# KiCad board B1_panel.kicad_pcb (continued)
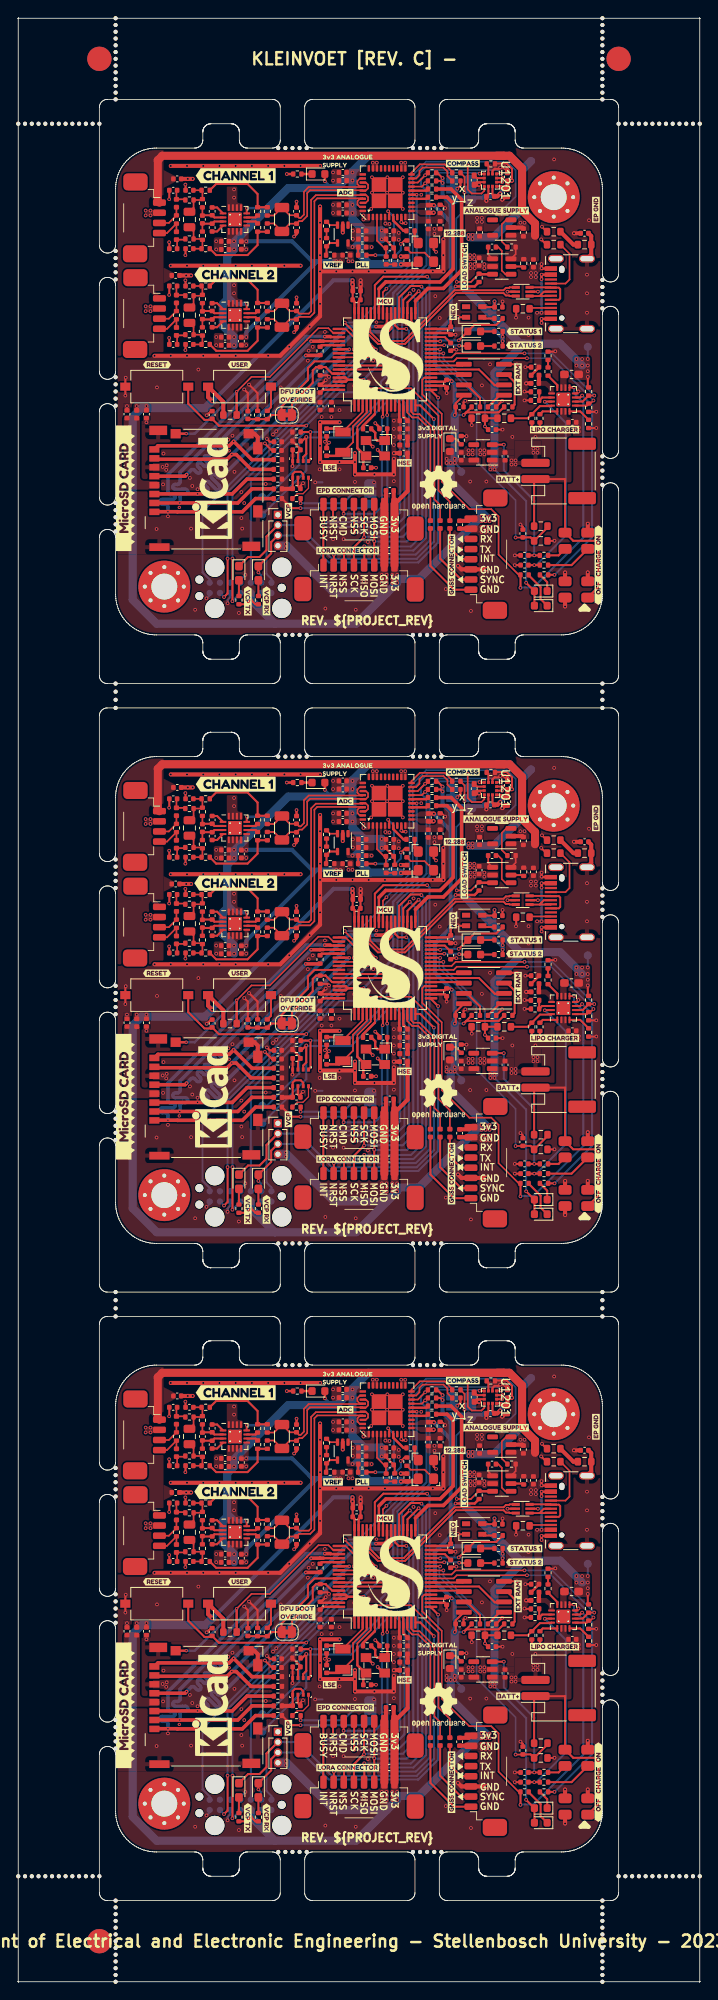
[diagram p0: board, top side]
## Placement (name value [footprint] x y rotation side) (continued)
REF**#95  -  [NPTH]  48.65 91 0 top
REF**#96  -  [NPTH]  4.17 13 0 top
REF**#97  -  [NPTH]  12 120.12 0 top
REF**#98  -  [NPTH]  12 237 0 top
REF**#99  -  [NPTH]  12 7.5 0 top
REF**#100  -  [NPTH]  72 36.25 0 top
REF**#101  -  [NPTH]  72 111.25 0 top
REF**#102  -  [NPTH]  72 242 0 top
REF**#103  -  [NPTH]  12 240.33 0 top
REF**#104  -  [NPTH]  12 46 0 top
REF**#105  -  [NPTH]  12 197.75 0 top
REF**#106  -  [KiCad-Logo_5mm_SilkScreen]  24.4 34.1 90 top
REF**#107  -  [NPTH]  72 187.13 0 top
REF**#108  -  [NPTH]  51.28 151 0 top
REF**#109  -  [NPTH]  12 236.17 0 top
REF**#110  -  [NPTH]  76.5 229 0 top
REF**#111  -  [NPTH]  52.15 76 0 top
REF**#112  -  [NPTH]  82.33 229 0 top
REF**#113  -  [NPTH]  32.05 226 0 top
REF**#114  -  [NPTH]  49.52 76 0 top
REF**#115  -  [NPTH]  6.67 13 0 top
REF**#116  -  [NPTH]  12 180.5 0 top
REF**#117  -  [NPTH]  12 242 0 top
REF**#118  -  [NPTH]  10 13 0 top
REF**#119  -  [NPTH]  12 106.38 0 top
REF**#120  -  [NPTH]  12 3.33 0 top
REF**#121  -  [NPTH]  12 238.67 0 top
REF**#122  -  [NPTH]  12 135.69 0 top
REF**#123  -  [NPTH]  48.65 151 0 top
REF**#124  -  [NPTH]  12 32.25 0 top
REF**#125  -  [NPTH]  12 160 0 top
REF**#126  -  [NPTH]  12 159 0 top
REF**#127  -  [NPTH]  32.05 16 0 top
REF**#128  -  [NPTH]  32.05 76 0 top
REF**#129  -  [NPTH]  12 137.44 0 top
REF**#130  -  [NPTH]  48.65 76 0 top
REF**#131  -  [NPTH]  9.17 13 0 top
REF**#132  -  [NPTH]  48.65 166 0 top
REF**#133  -  [NPTH]  2.5 229 0 top
REF**#134  -  [NPTH]  1.67 229 0 top
REF**#135  -  [NPTH]  8.33 13 0 top
REF**#136  -  [NPTH]  12 121.88 0 top
REF**#137  -  [NPTH]  72 207.12 0 top
REF**#138  -  [NPTH]  5 13 0 top
REF**#139  -  [NPTH]  72 84 0 top
REF**#140  -  [NPTH]  50.4 91 0 top
REF**#141  -  [NPTH]  35.55 91 0 top
REF**#142  -  [NPTH]  79.83 229 0 top
REF**#143  -  [NPTH]  3.33 229 0 top
REF**#144  -  [NPTH]  72 160 0 top
REF**#145  -  [NPTH]  72 58.88 0 top
REF**#146  -  [NPTH]  12 212.44 0 top
REF**#147  -  [NPTH]  12 59.81 0 top
REF**#148  -  [NPTH]  48.65 226 0 top
REF**#149  -  [NPTH]  12 6.67 0 top
REF**#150  -  [NPTH]  52.15 226 0 top
REF**#151  -  [NPTH]  12 178.75 0 top
REF**#152  -  [NPTH]  72 3.33 0 top
REF**#153  -  [NPTH]  72 134.75 0 top
REF**#154  -  [NPTH]  74 229 0 top
REF**#155  -  [NPTH]  0.83 13 0 top
REF**#156  -  [NPTH]  35.55 16 0 top
REF**#157  -  [NPTH]  12 44.25 0 top
REF**#158  -  [NPTH]  72 4.17 0 top
REF**#159  -  [NPTH]  12 1.67 0 top
REF**#160  -  [NPTH]  12 28.75 0 top
REF**#161  -  [NPTH]  80.67 229 0 top
REF**#162  -  [NPTH]  34.68 16 0 top
REF**#163  -  [NPTH]  12 0.83 0 top
REF**#164  -  [NPTH]  12 158 0 top
REF**#165  -  [NPTH]  8.33 229 0 top
REF**#166  -  [NPTH]  32.92 226 0 top
REF**#167  -  [NPTH]  72 133.88 0 top
REF**#168  -  [NPTH]  12 31.38 0 top
REF**#169  -  [NPTH]  9.17 229 0 top
REF**#170  -  [NPTH]  12 237.83 0 top
REF**#171  -  [NPTH]  72 6.67 0 top
REF**#172  -  [Fiducial]  10 5 0 top
REF**#173  -  [NPTH]  72 208 0 top
REF**#174  -  [NPTH]  12 209.81 0 top
REF**#175  -  [NPTH]  32.92 91 0 top
REF**#176  -  [NPTH]  12 233.67 0 top
REF**#177  -  [NPTH]  7.5 229 0 top
REF**#178  -  [NPTH]  34.68 91 0 top
REF**#179  -  [NPTH]  72 59.75 0 top
REF**#180  -  [NPTH]  12 181.38 0 top
REF**#181  -  [NPTH]  84 229 0 top
REF**#182  -  [NPTH]  81.5 229 0 top
REF**#183  -  [NPTH]  33.8 166 0 top
REF**#184  -  [NPTH]  72 157 0 top
REF**#185  -  [NPTH]  32.92 166 0 top
REF**#186  -  [NPTH]  72 82 0 top
REF**#187  -  [NPTH]  72 10 0 top
REF**#188  -  [NPTH]  12 8.33 0 top
REF**#189  -  [NPTH]  77.33 13 0 top
REF**#190  -  [NPTH]  72 113 0 top
REF**#191  -  [NPTH]  72 133 0 top
REF**#192  -  [NPTH]  12 84 0 top
REF**#193  -  [NPTH]  51.28 76 0 top
REF**#194  -  [NPTH]  52.15 151 0 top
REF**#195  -  [NPTH]  72 232 0 top
REF**#196  -  [NPTH]  12 104.62 0 top
REF**#197  -  [NPTH]  49.52 16 0 top
REF**#198  -  [NPTH]  79 229 0 top
REF**#199  -  [NPTH]  12 195.12 0 top
REF**#200  -  [NPTH]  12 4.17 0 top
REF**#201  -  [NPTH]  72 234.5 0 top
REF**#202  -  [NPTH]  52.15 16 0 top
REF**#203  -  [NPTH]  72 241.17 0 top
REF**#204  -  [NPTH]  2.5 13 0 top
REF**#205  -  [NPTH]  72 184.5 0 top
REF**#206  -  [NPTH]  12 5 0 top
REF**#207  -  [NPTH]  12 30.5 0 top
REF**#208  -  [NPTH]  12 121 0 top
REF**#209  -  [NPTH]  80.67 13 0 top
REF**#210  -  [NPTH]  48.65 16 0 top
REF**#211  -  [KiCad-Logo_5mm_SilkScreen]  24.4 109.1 90 top
REF**#212  -  [NPTH]  12 136.56 0 top
REF**#213  -  [NPTH]  72 131.25 0 top
REF**#214  -  [NPTH]  72 235.33 0 top
REF**#215  -  [NPTH]  12 235.33 0 top
REF**#216  -  [NPTH]  72 37.13 0 top
REF**#217  -  [NPTH]  12 211.56 0 top
REF**#218  -  [NPTH]  12 103.75 0 top
REF**#219  -  [NPTH]  7.5 13 0 top
REF**#220  -  [NPTH]  74 13 0 top
REF**#221  -  [NPTH]  12 105.5 0 top
REF**#222  -  [NPTH]  72 209.75 0 top
REF**#223  -  [NPTH]  5.83 13 0 top
REF**#224  -  [NPTH]  10 229 0 top
REF**#225  -  [NPTH]  12 196 0 top
REF**#226  -  [NPTH]  72 0.83 0 top
REF**#227  -  [NPTH]  52.15 91 0 top
REF**#228  -  [KiCad-Logo_5mm_SilkScreen]  24.4 184.1 90 top
REF**#229  -  [NPTH]  77.33 229 0 top
REF**#230  -  [NPTH]  52.15 166 0 top
REF**#231  -  [NPTH]  50.4 166 0 top
REF**#232  -  [NPTH]  12 62.44 0 top
REF**#233  -  [NPTH]  82.33 13 0 top
REF**#234  -  [NPTH]  81.5 13 0 top
REF**#235  -  [NPTH]  51.28 16 0 top
REF**#236  -  [NPTH]  12 0 0 top
REF**#237  -  [NPTH]  33.8 16 0 top
REF**#238  -  [NPTH]  49.52 91 0 top
REF**#239  -  [NPTH]  33.8 151 0 top
REF**#240  -  [NPTH]  51.28 226 0 top
REF**#241  -  [NPTH]  12 134.81 0 top
REF**#242  -  [NPTH]  83.17 229 0 top
REF**#243  -  [NPTH]  75.67 229 0 top
REF**#244  -  [NPTH]  12 9.17 0 top
REF**#245  -  [NPTH]  12 46.88 0 top
REF**#246  -  [NPTH]  72 236.17 0 top
REF**#247  -  [NPTH]  72 85 0 top
REF**#248  -  [NPTH]  32.05 166 0 top
REF**#249  -  [Fiducial]  74 237 0 top
REF**#250  -  [NPTH]  12 85 0 top
REF**#251  -  [NPTH]  72 110.37 0 top
REF**#252  -  [NPTH]  0 229 0 top
REF**#253  -  [NPTH]  72 208.88 0 top
REF**#254  -  [NPTH]  32.05 151 0 top
REF**#255  -  [NPTH]  72 57.12 0 top
REF**#256  -  [NPTH]  76.5 13 0 top
REF**#257  -  [NPTH]  78.17 229 0 top
REF**#258  -  [NPTH]  12 47.75 0 top
REF**#259  -  [NPTH]  51.28 91 0 top
REF**#260  -  [NPTH]  34.68 226 0 top
REF**#261  -  [NPTH]  12 182.25 0 top
REF**#262  -  [Fiducial]  10 237 0 bottom
REF**#263  -  [Fiducial]  74 237 0 bottom
REF**#264  -  [Fiducial]  10 5 0 bottom
SW101  RESET  [SW_Tactile_SPST_NO_Straight_CK_PTS636Sx25SMTRLFS]  17.07 46.6 180 top
SW101#2  RESET  [SW_Tactile_SPST_NO_Straight_CK_PTS636Sx25SMTRLFS]  17.07 196.6 180 top
SW101#3  RESET  [SW_Tactile_SPST_NO_Straight_CK_PTS636Sx25SMTRLFS]  17.07 121.6 180 top
SW102  USER  [SW_Tactile_SPST_NO_Straight_CK_PTS636Sx25SMTRLFS]  27.28 121.6 0 top
SW102#2  USER  [SW_Tactile_SPST_NO_Straight_CK_PTS636Sx25SMTRLFS]  27.28 196.6 0 top
SW102#3  USER  [SW_Tactile_SPST_NO_Straight_CK_PTS636Sx25SMTRLFS]  27.28 46.6 0 top
SW901  DP3T  [SW_DP3T_Nidec-Cobal_CL-SB-23A]  68.8 24.6 90 top
SW901#2  DP3T  [SW_DP3T_Nidec-Cobal_CL-SB-23A]  68.8 174.6 90 top
SW901#3  DP3T  [SW_DP3T_Nidec-Cobal_CL-SB-23A]  68.8 99.6 90 top
TP406  SDA  [TestPoint_Pad_D1.0mm]  30.07 105.82 0 bottom
TP406#2  SDA  [TestPoint_Pad_D1.0mm]  30.07 180.82 0 bottom
TP406#3  SDA  [TestPoint_Pad_D1.0mm]  30.07 30.82 0 bottom
TP407  SCL  [TestPoint_Pad_D1.0mm]  30.07 32.97 0 bottom
TP407#2  SCL  [TestPoint_Pad_D1.0mm]  30.07 182.97 0 bottom
TP407#3  SCL  [TestPoint_Pad_D1.0mm]  30.07 107.97 0 bottom
TP902  V_OUT  [TestPoint_Pad_D1.0mm]  70.2 126.5 180 bottom
TP902#2  V_OUT  [TestPoint_Pad_D1.0mm]  70.2 201.5 180 bottom
TP902#3  V_OUT  [TestPoint_Pad_D1.0mm]  70.2 51.5 180 bottom
TP903  3V3_DIGITAL  [TestPoint_Pad_D1.0mm]  54.6 186.1 180 bottom
TP903#2  3V3_DIGITAL  [TestPoint_Pad_D1.0mm]  54.6 111.1 180 bottom
TP903#3  3V3_DIGITAL  [TestPoint_Pad_D1.0mm]  54.6 36.1 180 bottom
TP904  3v3_ANALOG  [TestPoint_Pad_D1.0mm]  63.2 74.4 180 bottom
TP904#2  3v3_ANALOG  [TestPoint_Pad_D1.0mm]  63.2 149.4 180 bottom
TP904#3  3v3_ANALOG  [TestPoint_Pad_D1.0mm]  63.2 224.4 180 bottom
U101  STM32F446RETx  [LQFP-64_10x10mm_P0.5mm]  45.2 49.96 90 top
U101#2  STM32F446RETx  [LQFP-64_10x10mm_P0.5mm]  45.2 124.96 90 top
U101#3  STM32F446RETx  [LQFP-64_10x10mm_P0.5mm]  45.2 199.96 90 top
U201  USBLC6-2SC6  [SOT-666_Handsoldering]  62.18 58.3 0 top
U201#2  USBLC6-2SC6  [SOT-666_Handsoldering]  62.18 208.3 0 top
U201#3  USBLC6-2SC6  [SOT-666_Handsoldering]  62.18 133.3 0 top
U401  ADAU1978  [LFCSP-WQ-40-1EP_6x6mm_P0.5_CP-40-14]  45.47 70.5 90 top
U401#2  ADAU1978  [LFCSP-WQ-40-1EP_6x6mm_P0.5_CP-40-14]  45.47 220.5 90 top
U401#3  ADAU1978  [LFCSP-WQ-40-1EP_6x6mm_P0.5_CP-40-14]  45.47 145.5 90 top
U402  TLV333  [Texas_R-PDSO-G5_DCK-5]  40 215.4 270 top
U402#2  TLV333  [Texas_R-PDSO-G5_DCK-5]  40 65.4 270 top
U402#3  TLV333  [Texas_R-PDSO-G5_DCK-5]  40 140.4 270 top
U701  THS4551xRGT  [VQFN-16-1EP_3x3mm_P0.5mm_EP1.68x1.68mm_ThermalVias]  26.7 142.2 0 top
U701#2  THS4551xRGT  [VQFN-16-1EP_3x3mm_P0.5mm_EP1.68x1.68mm_ThermalVias]  26.7 217.2 0 top
U701#3  THS4551xRGT  [VQFN-16-1EP_3x3mm_P0.5mm_EP1.68x1.68mm_ThermalVias]  26.7 67.2 0 top
U801  THS4551xRGT  [VQFN-16-1EP_3x3mm_P0.5mm_EP1.68x1.68mm_ThermalVias]  26.7 130.4 0 top
U801#2  THS4551xRGT  [VQFN-16-1EP_3x3mm_P0.5mm_EP1.68x1.68mm_ThermalVias]  26.7 55.4 0 top
U801#3  THS4551xRGT  [VQFN-16-1EP_3x3mm_P0.5mm_EP1.68x1.68mm_ThermalVias]  26.7 205.4 0 top
U901  BQ24075  [VQFN-16-1EP_3x3mm_P0.5mm_EP1.68x1.68mm_ThermalVias]  67.19 120.01 90 top
U901#2  BQ24075  [VQFN-16-1EP_3x3mm_P0.5mm_EP1.68x1.68mm_ThermalVias]  67.19 45.01 90 top
U901#3  BQ24075  [VQFN-16-1EP_3x3mm_P0.5mm_EP1.68x1.68mm_ThermalVias]  67.19 195.01 90 top
U902  TPS7A0533PDBV  [SOT-23-5]  57.29 113.49 180 top
U902#2  TPS7A0533PDBV  [SOT-23-5]  57.29 188.49 180 top
U902#3  TPS7A0533PDBV  [SOT-23-5]  57.29 38.49 180 top
U903  LP5907MFX-3.3  [SOT-23-5]  59.6 216.2 180 top
U903#2  LP5907MFX-3.3  [SOT-23-5]  59.6 141.2 180 top
U903#3  LP5907MFX-3.3  [SOT-23-5]  59.6 66.2 180 top
U904  TPS22917DBV  [SOT-23-6]  59.6 136.4 0 top
U904#2  TPS22917DBV  [SOT-23-6]  59.6 61.4 0 top
U904#3  TPS22917DBV  [SOT-23-6]  59.6 211.4 0 top
U1201  LIS3MDL  [LIS3MDL_LGA-12_2x2mm_P0.5mm]  58.2 222.05 270 top
U1201#2  LIS3MDL  [LIS3MDL_LGA-12_2x2mm_P0.5mm]  58.2 72.05 270 top
U1201#3  LIS3MDL  [LIS3MDL_LGA-12_2x2mm_P0.5mm]  58.2 147.05 270 top
U1301  23LC1024-I/SN  [SOIC-8_3.9x4.9mm_P1.27mm]  57.4 47.45 180 top
U1301#2  23LC1024-I/SN  [SOIC-8_3.9x4.9mm_P1.27mm]  57.4 122.45 180 top
U1301#3  23LC1024-I/SN  [SOIC-8_3.9x4.9mm_P1.27mm]  57.4 197.45 180 top
U1401  BME280  [Bosch_LGA-8_2.5x2.5mm_P0.65mm_ClockwisePinNumbering]  34.8 186.4 0 top
U1401#2  BME280  [Bosch_LGA-8_2.5x2.5mm_P0.65mm_ClockwisePinNumbering]  34.8 111.4 0 top
U1401#3  BME280  [Bosch_LGA-8_2.5x2.5mm_P0.65mm_ClockwisePinNumbering]  34.8 36.4 0 top
X401  12.288MHz  [ECS-TXO-3225MV]  50.25 63.15 270 top
X401#2  12.288MHz  [ECS-TXO-3225MV]  50.25 213.15 270 top
X401#3  12.288MHz  [ECS-TXO-3225MV]  50.25 138.15 270 top
Y101  12 MHz  [ECS-33B]  44.01 39 0 top
Y101#2  12 MHz  [ECS-33B]  44.01 114 0 top
Y101#3  12 MHz  [ECS-33B]  44.01 189 0 top
Y102  32.768 kHz  [ECX-31B]  40.01 189.75 90 top
Y102#2  32.768 kHz  [ECX-31B]  40.01 39.75 90 top
Y102#3  32.768 kHz  [ECX-31B]  40.01 114.75 90 top

## Library data of the parts
C101 C101#2 C101#3 = -: Description: Unpolarized capacitor, small symbol; MPN: GRM155R60J106ME05D; Mfr.: Murata; Notes: Low ESR (< 1 Ohm)
C102 C102#2 C102#3 C104 C104#2 C104#3 = -: Description: Unpolarized capacitor, small symbol; MPN: GRM1555C1H150GA01D; Mfr.: Murata; Notes: C0G - High freq.
C103 C103#2 C103#3 C107 C107#2 C107#3 C202 C202#2 C202#3 C205 C205#2 C205#3 C206 C206#2 C206#3 C306 C306#2 C306#3 = -: Description: Unpolarized capacitor, small symbol; MPN: GRM155R60J106ME05D; Mfr.: Murata; Notes: Low ESR
C105 C105#2 C105#3 C106 C106#2 C106#3 = -: Description: Unpolarized capacitor, small symbol; MPN: GJM1555C1H4R0BB01D; Mfr.: Murata; Notes: C0G
C201 C201#2 C201#3 C204 C204#2 C204#3 C705 C705#2 C705#3 C712 C712#2 C712#3 C805 C805#2 C805#3 C812 C812#2 C812#3 C901 C901#2 C901#3 C902 C902#2 C902#3 C905 C905#2 C905#3 C906 C906#2 C906#3 C911 C911#2 C911#3 = -: Description: Unpolarized capacitor, small symbol; MPN: C0402C105K9PACTU; Mfr.: KEMET; Notes: Low ESR (X7R)
C203 C203#2 C203#3 C706 C706#2 C706#3 C707 C707#2 C707#3 C806 C806#2 C806#3 C807 C807#2 C807#3 = -: Description: Unpolarized capacitor, small symbol; MPN: GRM1555C1H392GE01D; Mfr.: Murata
C401 C401#2 C401#3 C402 C402#2 C402#3 C403 C403#2 C403#3 C404 C404#2 C404#3 C409 C409#2 C409#3 C411 C411#2 C411#3 C416 C416#2 C416#3 C417 C417#2 C417#3 = -: Description: Unpolarized capacitor, small symbol; MPN: GRM155R60J106ME05D; Mfr.: Murata; Notes: Low ESR (X7R)
C405 C405#2 C405#3 C406 C406#2 C406#3 C407 C407#2 C407#3 C408 C408#2 C408#3 C410 C410#2 C410#3 C412 C412#2 C412#3 C415 C415#2 C415#3 C708 C708#2 C708#3 C808 C808#2 C808#3 CB101 CB101#2 CB101#3 CB102 CB102#2 CB102#3 CB103 CB103#2 CB103#3 CB104 CB104#2 CB104#3 CB105 CB105#2 CB105#3 CB106 CB106#2 CB106#3 CB107 CB107#2 CB107#3 CB108 CB108#2 CB108#3 CB201 CB201#2 CB201#3 CB401 CB401#2 CB401#3 CB1201 CB1201#2 CB1201#3 CB1202 CB1202#2 CB1202#3 CB1301 CB1301#2 CB1301#3 CB1409 CB1409#2 CB1409#3 CB1410 CB1410#2 CB1410#3 = -: Description: Unpolarized capacitor, small symbol; MPN: C0402C104K8PACTU; Mfr.: KEMET
C413 C413#2 C413#3 = -: Description: Unpolarized capacitor, small symbol; MPN: GRM1555C1H562JE01D; Mfr.: Murata; Notes: NP0
C414 C414#2 C414#3 = -: Description: Unpolarized capacitor, small symbol; MPN: GRM1555C1H391JA01D; Mfr.: Murata
C501 C501#2 C501#3 C502 C502#2 C502#3 C601 C601#2 C601#3 C602 C602#2 C602#3 C701 C701#2 C701#3 C702 C702#2 C702#3 C801 C801#2 C801#3 C802 C802#2 C802#3 = -: Description: Unpolarized capacitor, small symbol; MPN: GRT1555C1H221FA02D; Mfr.: Murata
C703 C703#2 C703#3 C803 C803#2 C803#3 = -: Description: Unpolarized capacitor, small symbol; MPN: GRM2165C1H273JA01D; Mfr.: Murata
C704 C704#2 C704#3 C804 C804#2 C804#3 = -: Description: Unpolarized capacitor, small symbol
C709 C709#2 C709#3 C711 C711#2 C711#3 C809 C809#2 C809#3 C811 C811#2 C811#3 = -: Description: Unpolarized capacitor, small symbol; MPN: GRM1555CYA103GE01D; Mfr.: Murata
C710 C710#2 C710#3 C810 C810#2 C810#3 = -: Description: Unpolarized capacitor, small symbol; MPN: GRM3195C1H104JA05D; Mfr.: Murata
C903 C903#2 C903#3 C904 C904#2 C904#3 C907 C907#2 C907#3 C908 C908#2 C908#3 C909 C909#2 C909#3 C910 C910#2 C910#3 = -: Description: Unpolarized capacitor, small symbol; MPN: GRM155R60J106ME05D; Mfr.: Murata
C912 C912#2 C912#3 = -: Description: Unpolarized capacitor, small symbol; MPN: GRM1555C1H272GE01D; Mfr.: Murata
C1201 C1201#2 C1201#3 = -: Description: Unpolarized capacitor, small symbol; MPN: GRT155R71A224KE01D; Mfr.: Murata
C1202 C1202#2 C1202#3 = -: Description: Unpolarized capacitor, small symbol; MPN: C0402C105K9PACTU; Mfr.: KEMET; Notes: Low ESR
CB901 CB901#2 CB901#3 CB903 CB903#2 CB903#3 CB904 CB904#2 CB904#3 CB906 CB906#2 CB906#3 CB907 CB907#2 CB907#3 = -: Description: Unpolarized capacitor, small symbol; MPN: C0402C104K8PACTU; Mfr.: KEMET; Notes: Low ESR (X7R)
CB902 CB902#2 CB902#3 = -: Description: Unpolarized capacitor, small symbol; MPN: C0402C103K3RAC7411; Mfr.: KEMET; Notes: Low ESR (X7R)
D101 D101#2 D101#3 = -: Description: Light emitting diode, small symbol; MPN: SMLD12EN1WT86; Mfr.: ROHM Semiconductor
D102 D102#2 D102#3 D104 D104#2 D104#3 D902 D902#2 D902#3 = -: Description: Light emitting diode, small symbol; MPN: SML-D12D8WT86C; Mfr.: ROHM Semiconductor
D103 D103#2 D103#3 = -: Description: Light emitting diode, small symbol; MPN: SMLD12BN1WT86; Mfr.: ROHM Semiconductor
D105 D105#2 D105#3 = -: Description: RGB LED with integrated controller; MPN: SK6805-2427 (ALT: 485-4492, 1528-2291-ND); Mfr.: Adafruit
D901 D901#2 D901#3 D903 D903#2 D903#3 D904 D904#2 D904#3 = -: Description: Light emitting diode, small symbol; MPN: SML-D12U8WT86C; Mfr.: ROHM Semiconductor
F901 F901#2 F901#3 = -: Description: Fuse, small symbol; MPN: 0ZCM0020FF2G; Mfr.: Bel Fuse
FB101 FB101#2 FB101#3 FB102 FB102#2 FB102#3 FB201 FB201#2 FB201#3 FB304 FB304#2 FB304#3 FB901 FB901#2 FB901#3 FB903 FB903#2 FB903#3 = -: Description: Ferrite bead, small symbol; MPN: BLM15HD102SN1D; Mfr.: Murata
FB501 FB501#2 FB501#3 FB502 FB502#2 FB502#3 FB601 FB601#2 FB601#3 FB602 FB602#2 FB602#3 = -: Description: Ferrite bead, small symbol; MPN: BLM15AX102SZ1D; Mfr.: Murata
H201 H201#2 H201#3 H202 H202#2 H202#3 = -: Description: Mounting Hole with connection
J201 J201#2 J201#3 = -: Description: Generic connector, single row, 01x02, script generated (kicad-library-utils/schlib/autogen/connector/); MPN: 1769; Mfr.: Adafruit
J202 J202#2 J202#3 = -: Description: ST Debug Connector, standard ARM Cortex-M SWD and JTAG interface plus UART; MPN: FTSH-107-01-F-DV-K; Mfr.: Tag Connect
J203 J203#2 J203#3 = -: Description: Generic connector, single row, 01x04, script generated (kicad-library-utils/schlib/autogen/connector/)
J204 J204#2 J204#3 = -: Description: Micro SD Card Socket with two card detection pins; MPN: 503182-1852; Mfr.: Molex
J205 J205#2 J205#3 J207 J207#2 J207#3 J301 J301#2 J301#3 = -: Description: Generic connector, single row, 01x08, script generated (kicad-library-utils/schlib/autogen/connector/); MPN: 10114828-11108LF; Mfr.: Amphenol
J206 J206#2 J206#3 = -: MPN: DX07S016JA1R1500; Mfr.: JAE Electronics
J501 J501#2 J501#3 J601 J601#2 J601#3 = -: Description: Generic connector, single row, 01x04, script generated (kicad-library-utils/schlib/autogen/connector/); MPN: 10114828-11104LF; Mfr.: Amphenol
JP101 JP101#2 JP101#3 = -: Description: Solder Jumper, 2-pole, closed/bridged
JP401 JP401#2 JP401#3 JP402 JP402#3 = -: Description: 3-pole Solder Jumper, pins 1+2 closed/bridged; Field7: 3; Field8: 1
JP402#2 = -: Description: 3-pole Solder Jumper, pins 1+2 closed/bridged; Field7: 1; Field8: 3
JP1401 JP1401#2 JP1401#3 = -: Description: 3-pole Solder Jumper, pins 1+2 closed/bridged
R1 R1#2 R1#3 R501 R501#2 R501#3 R601 R601#2 R601#3 R922 R922#2 R922#3 = -: Description: Resistor, small symbol
R101 R101#2 R101#3 R201 R201#2 R201#3 R202 R202#2 R202#3 R203 R203#2 R203#3 R204 R204#2 R204#3 R205 R205#2 R205#3 R401 R401#2 R401#3 R402 R402#2 R402#3 R410 R410#2 R410#3 R412 R412#2 R412#3 R909 R909#2 R909#3 R1201 R1201#2 R1201#3 R1401 R1401#2 R1401#3 R1402 R1402#2 R1402#3 = -: Description: Resistor, small symbol; MPN: RT0402FRE1310KL; Mfr.: Yageo
R102 R102#2 R102#3 R103 R103#2 R103#3 R105 R105#2 R105#3 R107 R107#2 R107#3 R403 R403#2 R403#3 R905 R905#2 R905#3 R908 R908#2 R908#3 R918 R918#2 R918#3 R919 R919#2 R919#3 = -: Description: Resistor, small symbol; MPN: RT0402FRE072K2L; Mfr.: Yageo
R104 R104#2 R104#3 R705 R705#2 R705#3 R706 R706#2 R706#3 R805 R805#2 R805#3 R806 R806#2 R806#3 = -: Description: Resistor, small symbol; MPN: RT0402FRE07360RL; Mfr.: Yageo
R106 R106#2 R106#3 R406 R406#2 R406#3 R709 R709#2 R709#3 R710 R710#2 R710#3 R809 R809#2 R809#3 R810 R810#2 R810#3 = -: Description: Resistor, small symbol; MPN: RT0402FRE0747RL; Mfr.: Yageo
R108 R108#2 R108#3 R414 R414#2 R414#3 R901 R901#2 R901#3 R903 R903#2 R903#3 = -: Description: Resistor, small symbol; MPN: RT0402FRE071KL; Mfr.: Yageo
R206 R206#2 R206#3 R210 R210#2 R210#3 R211 R211#2 R211#3 R913 R913#2 R913#3 R914 R914#2 R914#3 R915 R915#2 R915#3 R916 R916#2 R916#3 = -: Description: Resistor, small symbol; MPN: RC0603FR-07470KL; Mfr.: Yageo
R207 R207#2 R207#3 R405 R405#2 R405#3 R409 R409#2 R409#3 R411 R411#2 R411#3 R707 R707#2 R707#3 R708 R708#2 R708#3 R807 R807#2 R807#3 R808 R808#2 R808#3 = -: Description: Resistor, small symbol; MPN: RT0603FRE0714R7L; Mfr.: Yageo
R208 R208#2 R208#3 R209 R209#2 R209#3 = -: Description: Resistor, small symbol; MPN: AC0603FR-135K1L; Mfr.: Yageo
R404 R404#2 R404#3 R407 R407#2 R407#3 R408 R408#2 R408#3 R413 R413#2 R413#3 R904 R904#2 R904#3 R906 R906#2 R906#3 R907 R907#2 R907#3 R910 R910#2 R910#3 R911 R911#2 R911#3 R912 R912#2 R912#3 R917 R917#2 R917#3 R920 R920#2 R920#3 R921 R921#2 R921#3 R1301 R1301#2 R1301#3 R1302 R1302#2 R1302#3 R1303 R1303#2 R1303#3 R1403 R1403#2 R1403#3 = -: Description: Resistor, small symbol; MPN: RT0402FRE07100KL; Mfr.: Yageo
R701 R701#2 R701#3 R702 R702#2 R702#3 R801 R801#2 R801#3 R802 R802#2 R802#3 R902 R902#2 R902#3 = -: Description: Resistor, small symbol; MPN: RT0402FRE07309RL; Mfr.: Yageo
R703 R703#2 R703#3 R704 R704#2 R704#3 R803 R803#2 R803#3 R804 R804#2 R804#3 = -: Description: Resistor, small symbol; MPN: RT0402FRE07330RL; Mfr.: Yageo
SW101 SW101#2 SW101#3 SW102 SW102#2 SW102#3 = -: Description: Push button switch, generic, two pins; MPN: PTS636 SM25 SMTR LFS; Mfr.: C&K
SW901 SW901#2 SW901#3 = -: Description: Switch, three position, dual pole triple throw, 3 position switch, SP3T; MPN: CL-SB-23A-11T; Mfr.: Nidec Copal
TP406 TP406#2 TP406#3 TP407 TP407#2 TP407#3 TP902 TP902#2 TP902#3 TP903 TP903#2 TP903#3 TP904 TP904#2 TP904#3 = -: Description: test point
U101 U101#2 U101#3 = -: Description: STMicroelectronics Arm Cortex-M4 MCU, 512KB flash, 128KB RAM, 180 MHz, 1.8-3.6V, 50 GPIO, LQFP64; MPN: STM32F446RCT6; Mfr.: STMicroelectronics
U201 U201#2 U201#3 = -: Description: Very low capacitance ESD protection diode, 2 data-line, SOT-23-6; MPN: USBLC6-2P6; Mfr.: STMicroelectronics
U401 U401#2 U401#3 = -: MPN: ADAU1978WBCPZ-RL; Mfr.: Analog Devices
U402 U402#2 U402#3 = -: Description: Operational amplifier, single, node sequence=1:+ 2:- 3:OUT 4:V+ 5:V-; MPN: TLV333IDCKR; Mfr.: Texas Instruments
U701 U701#2 U701#3 U801 U801#2 U801#3 = -: Description: Low-Noise Precision Fully Differential Amplifier, VQFN-16; MPN: THS4551IRGTR; Mfr.: Texas Instruments
U901 U901#2 U901#3 = -: Description: USB-Friendly Li-Ion Battery Charger and Power-Path Management, VQFN-16; MPN: BQ24075TRGTR; Mfr.: Texas Instruments
U902 U902#2 U902#3 = -: Description: 200-mA Ultra-Low-Iq LDO, 3.3V, SOT-23-5; MPN: TPS7A0533PDBVR; Mfr.: Texas Instruments
U903 U903#2 U903#3 = -: Description: 250-mA Ultra-Low-Noise Low-IQ LDO, 3.3V, SOT-23; MPN: LP5907MFX-3.3/NOPB; Mfr.: Texas Instruments
U904 U904#2 U904#3 = -: Description: 1V to 5.5V, 2A, 80mΩ Ultra-Low Leakage Load Switch, SOT23-6; MPN: TPS22917DBVR; Mfr.: Texas Instruments
U1201 U1201#2 U1201#3 = -: Description: Ultra-low-power, 3-axis digital output magnetometer, LGA-12; MPN: LIS3MDLTR; Mfr.: STMicroelectronics
U1301 U1301#2 U1301#3 = -: Mfr.: Microchip Technology
U1401 U1401#2 U1401#3 = -: Description: 3-in-1 sensor, humidity, pressure, temperature, I2C and SPI interface, 1.71-3.6V, LGA-8; Mfr.: Bosch Sensortec
X401 X401#2 X401#3 = -: Description: Crystal Clock Oscillator, Abracon ASCO; MPN: ECS-TXO-3225MV-122.8-TR; Mfr.: ECS
Y101 Y101#2 Y101#3 = -: Description: Four pin crystal, GND on pins 2 and 4; MPN: ECS-120-12-33-AEN-TR; Mfr.: ECS
Y102 Y102#2 Y102#3 = -: Description: Two pin crystal; MPN: ECS-.327-7-34B-TR; Mfr.: ECS
